# KiCad board DIP8breakout+potToUSB.kicad_pcb (continued)
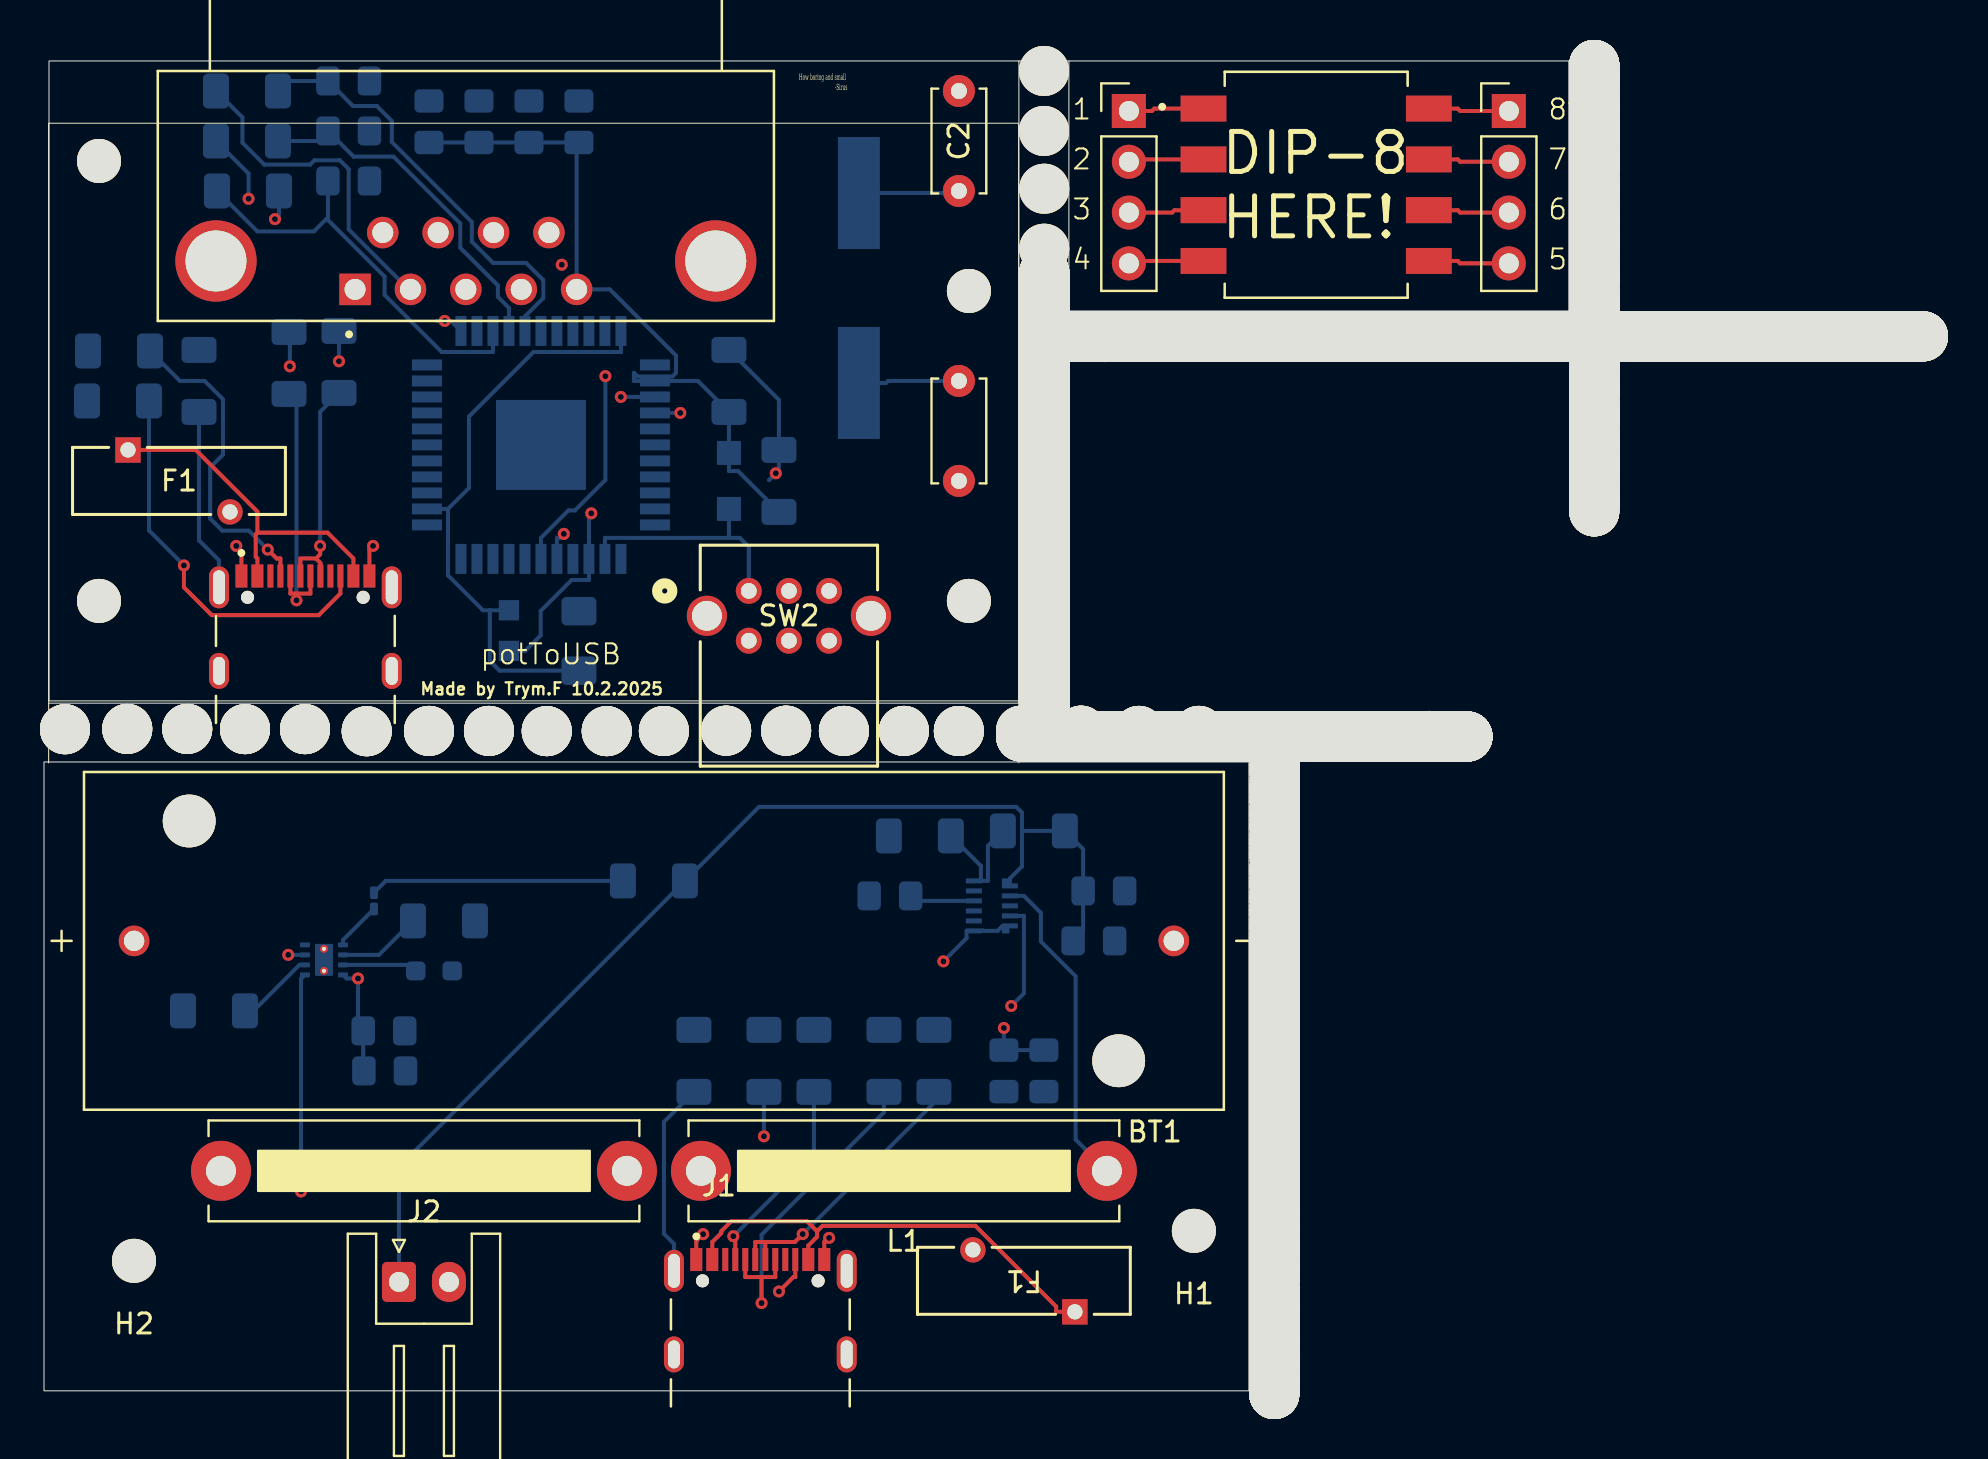
[diagram p0: board, top side]
## Routing (per net, layer and track width the routed paths; a pad name or vN(x,y) marks a point on that pad's centre or on a via; arc(x,y) is an arc through that point) (continued)
/Pedal2: length 17.6
  Bottom w0.2: R8.1 13.7,62.5 C10.1 15.49,61.71 17.48,61.71 20.81,58.38 20.81,57.16 22.69,55.28 22.69,54.71 23.25,54.15 U1#2.37
/Pedal3: length 21.7
  Bottom w0.2: R9#2.1 12.2,65.5 C11.1 15.45,64.25 16.64,64.25 17.39,63.5 17.39,62.45 21.39,58.45 21.39,57.47 22.46,56.4 24.11,56.4 24.97,55.54 24.97,54.64 24.05,53.72 U1#2.38
/Reset: length 26.8
  In1.Cu w0.2: v1(36.6,45.88) 35.24,44.53 SW2.1
  Bottom w0.2: 34.25,42.65 28.05,42.65 U1#2.13 ; 34.25,42.65 D1#2.2 ; 34.25,42.65 34.8,42.65 35.24,42.2 SW2.1 ; R10#2.2 36.75,49.55 R1.1 36.75,46.04 36.25,45.54 v1(36.6,45.88)
Net-(D1-A): length 12.7
  Bottom w0.2: R10.1 17.09,25.5 D1.2
Net-(D1-K): length 2.4
  Bottom w0.2: D1.1 14.95,22.54 U1.5
Net-(J1-CC1): length 10.1
  Top w0.2: J1.A5 34.57,7.63 v1(34.47,7.73)
  Bottom w0.2: v1(34.47,7.73) 38.5,11.76 R3#2.1
Net-(J1-CC2): length 12.8
  Top w0.2: v1(36.75,4.97) 37.47,5.69 37.57,5.69 J1.B5
  In1.Cu w0.2: v1(36.75,4.97) 36.75,5.07 v1(36.75,4.97) ; v1(36.75,4.97) 36.75,11.98 v1(36,12.73)
  Bottom w0.2: v1(36,12.73) 36.11,12.62 v1(36,12.73) ; v1(36,12.73) R2.1
Net-(J1-DN1): length 14.1
  Top w0.2: J1.A6 35.57,7.44 36.07,7.44 ; v1(37.94,7.84) 37.54,7.44 36.07,7.44 ; 36.07,7.44 J1.A7
  Bottom w0.2: R4.1 44.5,14.4 v1(37.94,7.84)
Net-(J1-DN2): length 17.7
  Top w0.2: J1.B6 36.57,5.69 35.88,5.69 ; 35.88,5.69 v1(35.88,4.39) ; 35.88,5.69 35.07,5.69 J1.B7
  Bottom w0.2: v1(35.88,4.39) 35.88,7.8 42,13.92 R5#2.1
Net-(J1-Pin_1): length 3.8
  Top w0.2: J1#2.1 55.4,64 55.52,64.12 J3.1
Net-(J1-Pin_2): length 3.8
  Top w0.2: J3.2 54.37,61.58 J1#2.2
Net-(J1-Pin_3): length 3.8
  Top w0.2: J1#2.3 56.41,58.92 56.53,59.04 J3.3
Net-(J1-Pin_4): length 3.8
  Top w0.2: J3.4 54.37,56.5 J1#2.4
Net-(J1-SHIELD): length 29.2
  In1.Cu w0.2: J1.SH3 J1.SH1 ; J1.SH2 J1.SH4
  In2.Cu w0.2: J1.SH4 40.14,3.02 31.5,3.02 J1.SH3
  Bottom w0.2: J1.SH1 31.5,7.35 31,7.85 31,13.45 R1#2.1
Net-(J1-VBUS): length 23.3
  Top w0.2: 38.66,7.98 38.66,7.7 38.22,7.27 J1.B4_A9 ; 38.66,7.98 38.93,8.25 46.58,8.25 50.61,4.21 50.61,3.95 F1#2.1 ; 38.66,7.98 38.16,8.48 34.37,8.48 33.87,7.98 33.87,7.89 33.42,7.44 J1.A4_B9
Net-(J2-Pad2): length 16.5
  Bottom w0.2: R9#2.2 9.92,63.68 9.92,62.41 11.02,61.32 13.31,61.32 13.52,61.54 14.79,61.54 15.24,61.09 15.24,58.08 18.24,55.08 18.32,55.08
Net-(J2-Pad3): length 16.6
  In2.Cu w0.2: v1(10.23,59.61) 10.23,59.04 13.02,56.25 19.92,56.25 J2#2.3
  Bottom w0.2: v1(10.23,59.61) 10.23,60.87 R8.2
Net-(J2-Pad4): length 15.3
  In2.Cu w0.2: J2#2.4 22.29,56.65 13.49,56.65 v1(11.55,58.59)
  Bottom w0.2: R7#2.1 11.75,58.79 v1(11.55,58.59)
Net-(J2-Pin_1): length 4
  Top w0.2: J3.8 70.7,64.12 70.82,64 J2.1
Net-(J2-Pin_2): length 4
  Top w0.2: J2.2 70.82,61.46 70.7,61.58 J3.7
Net-(J2-Pin_3): length 4
  Top w0.2: J2.3 70.82,58.92 70.7,59.04 J3.6
Net-(J2-Pin_4): length 4
  Top w0.2: J2.4 70.82,56.38 70.7,56.5 J3.5
Net-(J3-CC1): length 16.1
  Top w0.2: v1(11.19,42.07) 11.63,41.62 11.82,41.62 J3#2.A5
  Bottom w0.2: R2#2.2 6.8,50.5 8.03,50.5 8.95,49.58 8.95,46.82 8.31,46.18 8.31,43.61 8.91,43.01 10.24,43.01 v1(11.19,42.07)
Net-(J3-CC2): length 19.8
  Top w0.2: v1(7,41.28) 7,40.18 8.39,38.79 13.74,38.79 14.82,39.87 J3#2.B5
  Bottom w0.2: v1(7,41.28) 5.25,43.02 R3.2
Net-(J3-DN1): length 13.6
  Top w0.2: J3#2.B7 12.32,39.87 12.62,39.87 ; 12.62,39.87 v1(12.62,39.53) ; 12.62,39.87 13.32,39.87 J3#2.A7
  Bottom w0.2: v1(12.62,39.53) 12.62,49.48 R6.1
Net-(J3-DP1): length 11.4
  Top w0.2: J3#2.B6 13.82,41.4 13.6,41.62 ; 13.6,41.62 13.81,41.83 v1(13.81,42.25) ; 13.6,41.62 12.82,41.62 J3#2.A6
  Bottom w0.2: v1(13.81,42.25) 13.81,48.96 R5.1
Net-(J3-SHIELD): length 28.6
  In1.Cu w0.2: J3#2.SH2 J3#2.SH4 ; J3#2.SH3 J3#2.SH1
  In2.Cu w0.2: J3#2.SH4 17.39,37.2 8.75,37.2 J3#2.SH3
  Bottom w0.2: R4#2.1 7.75,42.53 8.75,41.53 J3#2.SH1
Net-(J3-VBUS): length 17.2
  Top w0.2: J3#2.A4_B9 10.67,41.62 10.59,41.7 10.59,42.83 10.67,42.91 ; J3#2.B4_A9 15.47,41.62 14.18,42.91 10.67,42.91 ; 10.67,42.91 10.67,43.97 7.59,47.05 F1.1
Net-(U1-ISET): length 4
  Bottom w0.2: R7.2 10.48,19 12.78,21.3 U1.2
Net-(U1-OUT): length 52.2
  In2.Cu w0.2: v1(15.7,20.62) 16.19,20.62 16.19,21.48 ; 16.19,21.48 v1(44.98,21.48) ; 16.19,21.48 15.06,22.6 4.61,22.6 BT1.P
  Bottom w0.2: U1.8 15.13,20.62 v1(15.7,20.62) 15.7,18.26 C3#2.2 15.96,16.04 C6#2.1 ; U2.11 47.93,23.25 47.68,23 U2.1 46.13,23 46.13,22.63 v1(44.98,21.48)
Net-(U1-TMR): length 4.2
  Bottom w0.2: R8#2.1 16.75,21.8 U1.6
Net-(U1-TS): length 22.3
  In2.Cu w0.2: R9.1 23.01,11 12.21,21.8 v1(12.21,21.8)
  Bottom w0.2: v1(12.21,21.8) 12.21,21.8 v1(12.21,21.8) ; v1(12.21,21.8) U1.3
Net-(U1-VSET): length 3.8
  Bottom w0.2: R6#2.2 18.29,21.3 U1.7
Net-(U1-XTAL1): length 33.5
  In2.Cu w0.2: v1(28.07,50.74) 45.51,50.74 C1.1
  Bottom w0.2: C1.1 42.2,50.5 42.1,50.4 Y1.1 ; U1#2.17 24.85,42.65 26.23,44.03 26.55,44.03 28.07,45.54 v1(28.07,50.74)
Net-(U1-XTAL2): length 41.7
  In1.Cu w0.2: v1(25.99,42.85) 25.54,43.31 25.54,55.96 v1(25.89,56.31)
  In2.Cu w0.2: C2.2 29.58,60 v1(25.89,56.31)
  Bottom w0.2: Y1.2 45.65,59.9 C2.2 ; v1(25.99,42.85) 25.79,42.65 25.65,42.65 U1#2.16
Net-(U2-FB): length 6.4
  Bottom w0.2: R11.1 47.2,27.25 47.2,25.5 46.85,25.5 ; 46.85,25.5 46.85,26.25 R12.2 ; 46.85,25.5 U2.6
Net-(U2-SW1): length 24.4
  In2.Cu w0.2: L1.2 41.09,19.24 v1(48.37,19.24)
  Bottom w0.2: U2.10 49,23.75 49,19.88 v1(48.37,19.24)
Net-(U2-SW2): length 16.2
  Bottom w0.2: L1.1 51.59,12.56 51.59,20.73 49.85,22.48 49.85,23.91 49,24.75 U2.8
Net-(U2-VCC): length 3.3
  Bottom w0.2: C7.1 43.59,24.5 U2.4

## Copper pours and planes (outline as drawn; the poured copper is in the pictures)
GND on Bottom: 48.75,34.5 48.75,66.5 0.25,66.5 0.25,34.5
GND on Bottom: 0,0 0,31.47 60.25,31.47 60.25,0

## Text on the board
B.Silkscreen: 1 | 2 | 3 | 4 | 8 | 7 | 6 | 5
F.Silkscreen: Made by Trym.F 10.2.2025 | potToUSB | 1 | 2 | 3 | 4 | 8 | 7 | 6 | 5 | DIP-8 / HERE! | How boring and small / -Sirus
